# Altium PCB EBS V1.0.PcbDoc (part 1 of 5) (continued)
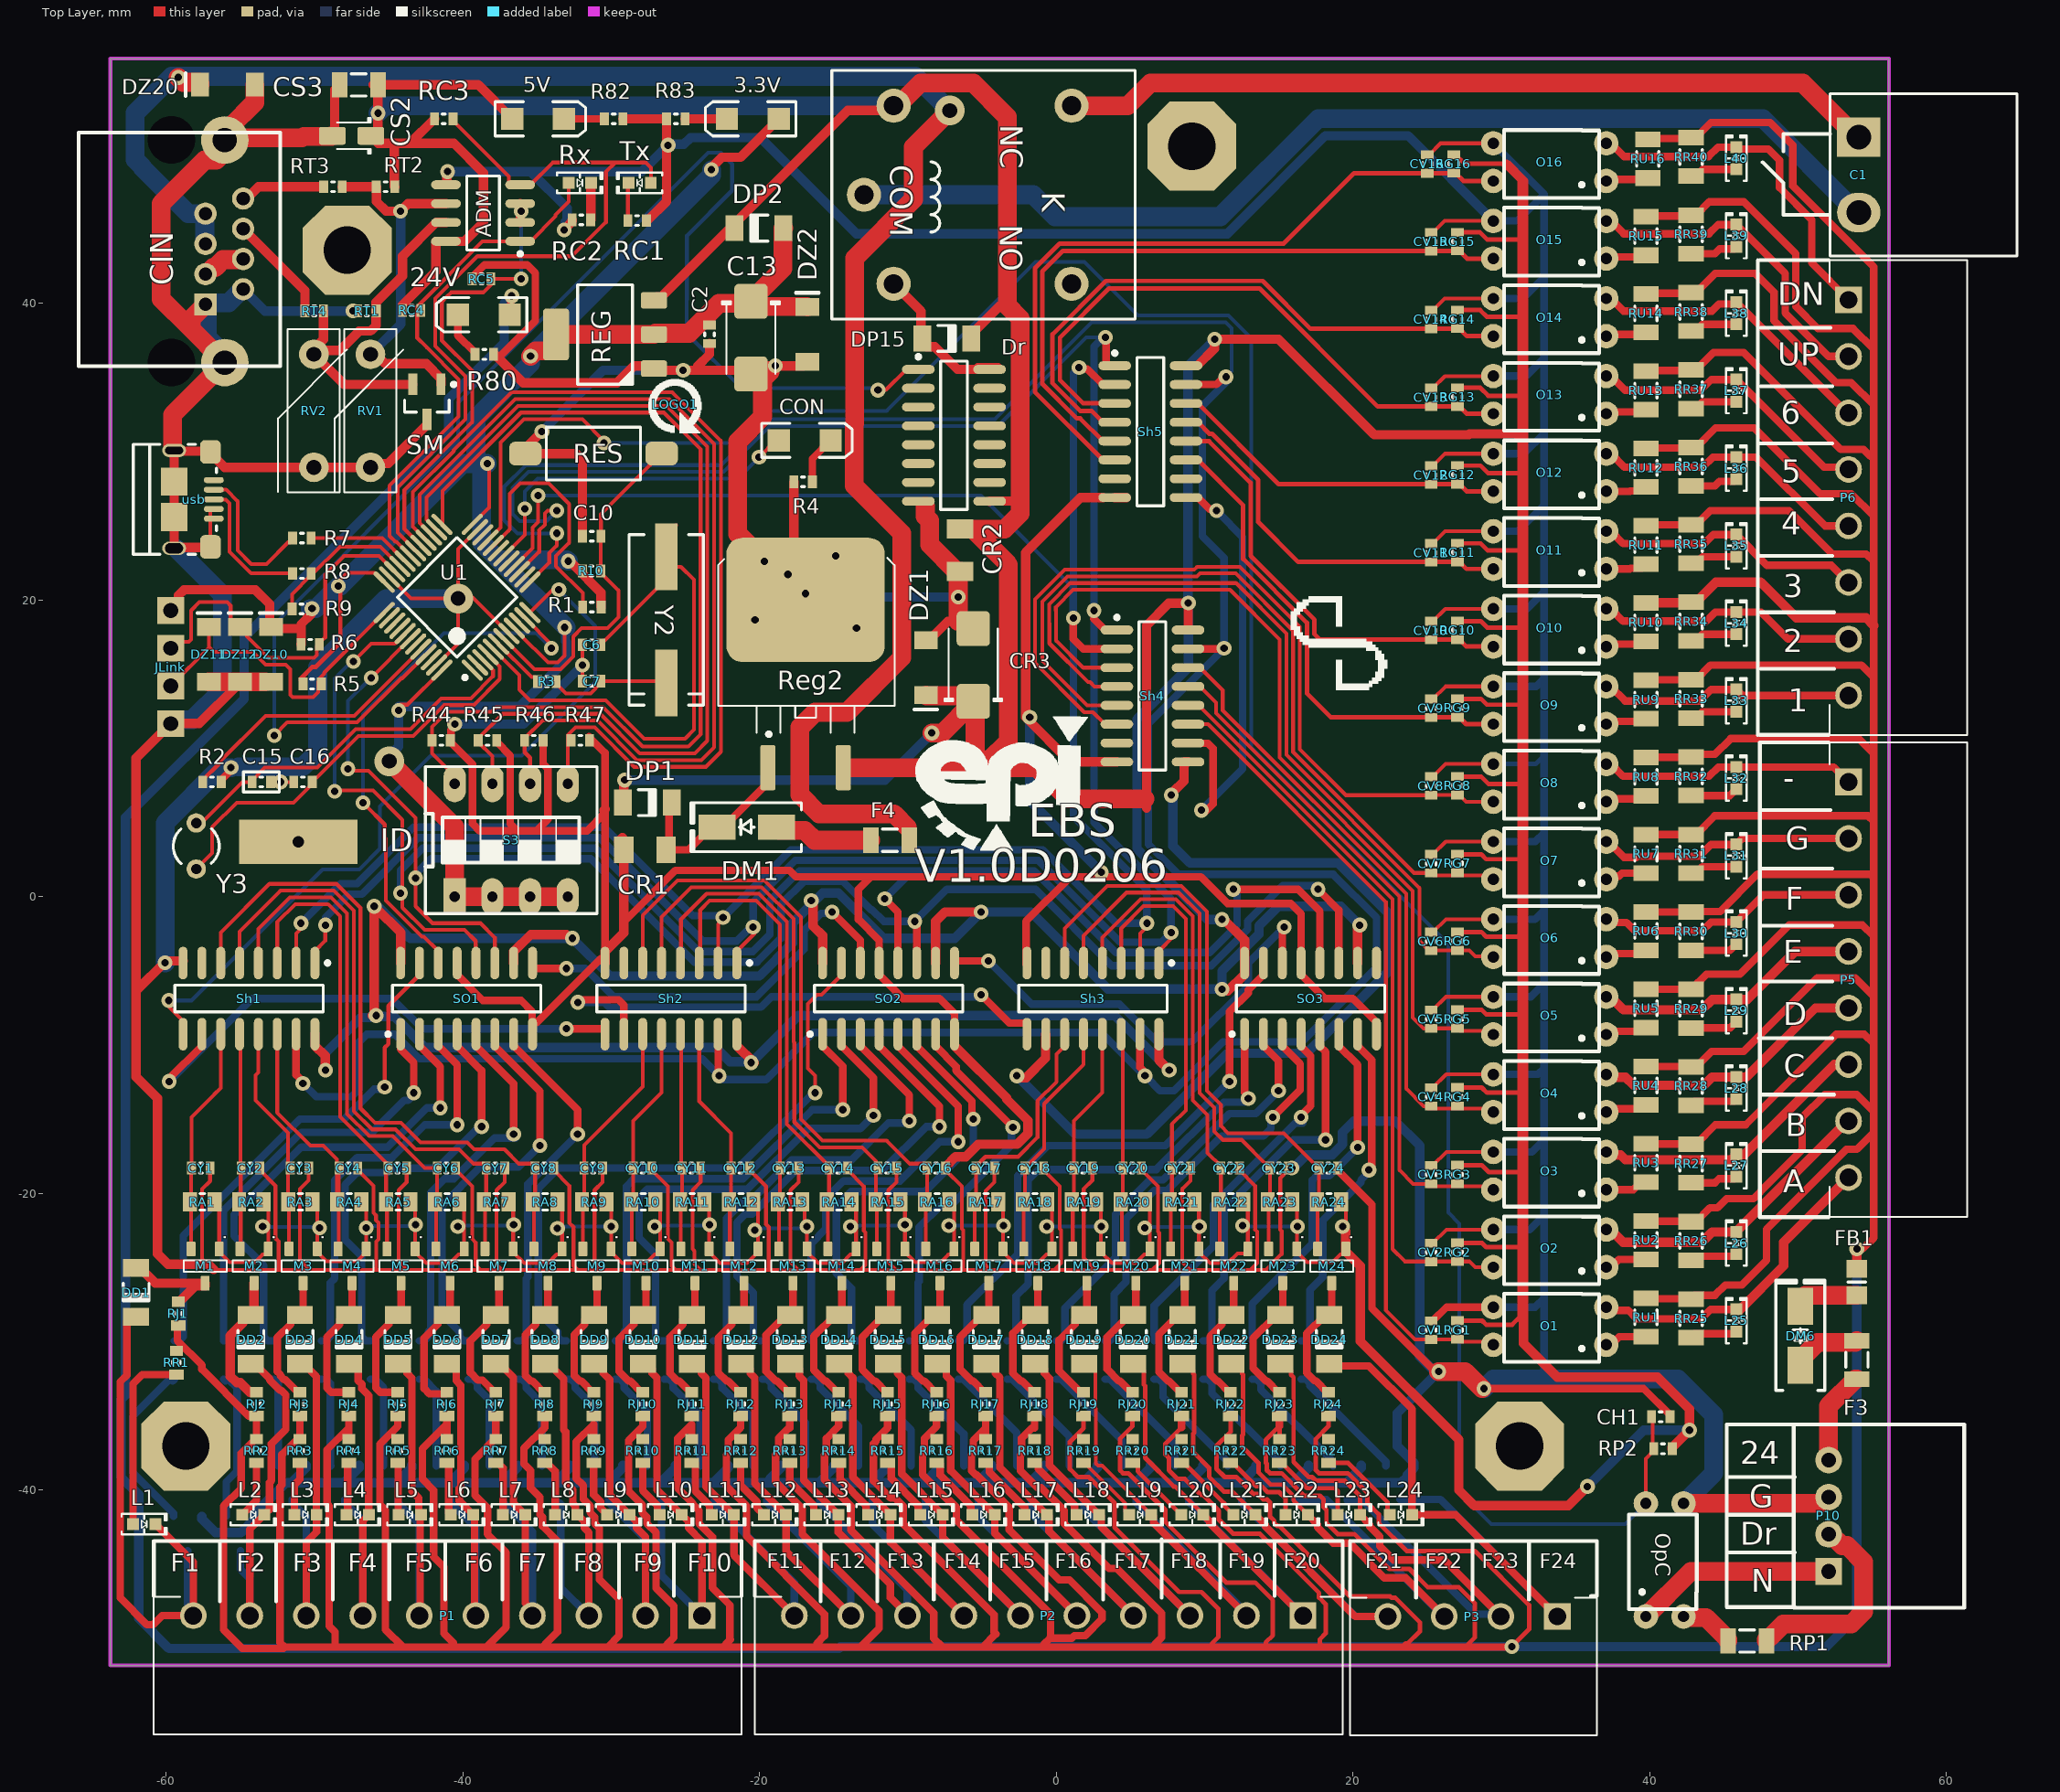
[diagram p0: Top Layer view]
## Design rules (kind name [scope] priority, off if disabled: settings)
Clearance [All] p1: gap=0.2 ignorepadtopadclearanceinfootprint=FALSE except(0: Arc-Hole Track-Hole SMDPad-Hole THPad-Hole Via-Hole Fill-Hole Poly-Hole Region-Hole Text-Hole)
HoleSize [All] p1: absolutevalues=TRUE maxlimit=5.08 minlimit=0.025 maxpercent=80.000 minpercent=20.000
MinimumSolderMaskSliver [All] p1 off: minsoldermaskwidth=0.254
PlaneClearance [All] p1: clearance=0.508
PlaneConnect [All] p1: planeconnectstyle=Relief reliefexpansion=0.508 reliefentries=4 reliefconductorwidth=0.254 reliefairgap=0.254
PolygonConnect [All] p1: connectstyle=Relief reliefconductorwidth=0.254 reliefentries=4 polygonreliefangle="90 Angle" airgapwidth=0.254
RoomDefinition "Shift In" [InComponentClass('Shift In')] p1: confinementstyle=ConfineOut formatcopy=TRUE lockcomponents=FALSE outline -188.976,-204.311 -138.176,-204.311 -138.176,-178.911 -188.976,-178.911
RoomDefinition "Power 5V" [InComponentClass('Power 5V')] p2: confinementstyle=ConfineOut formatcopy=TRUE lockcomponents=FALSE outline 71.642,98.425 58.039,98.425 58.039,81.407 71.642,81.407
RoomDefinition "Power 3.3V" [InComponentClass('Power 3.3V')] p3: confinementstyle=ConfineOut formatcopy=TRUE lockcomponents=FALSE outline -98.171,87.884 -98.171,55.753 -70.993,55.753 -70.993,87.884
RoomDefinition "Shift Out" [InComponentClass('Shift Out')] p4: confinementstyle=ConfineOut formatcopy=TRUE lockcomponents=FALSE outline -115.697,-25.527 -85.852,-25.527 -85.852,-1.016 -115.697,-1.016
RoomDefinition "Mosfet Input" [InComponentClass('Mosfet Input')] p5: confinementstyle=ConfineOut formatcopy=TRUE lockcomponents=FALSE outline 192.024,-11.938 261.62,-11.938 261.62,21.463 192.024,21.463
RoomDefinition MCU [InComponentClass('MCU')] p6: confinementstyle=ConfineOut formatcopy=TRUE lockcomponents=FALSE outline -3.683,57.277 -3.683,67.691 -59.195,67.691 -59.195,57.277
RoomDefinition "Input Connector" [InComponentClass('Input Connector')] p7: confinementstyle=ConfineOut formatcopy=TRUE lockcomponents=FALSE outline 86.36,62.23 115.951,62.23 115.951,90.678 86.36,90.678
RoomDefinition Config [InComponentClass('Config')] p8: confinementstyle=ConfineOut formatcopy=TRUE lockcomponents=FALSE outline -58.547,73.279 -10.414,73.279 -10.414,114.3 -58.547,114.3
RoomDefinition "Communication Elevator" [InComponentClass('Communication Elevator')] p9: confinementstyle=ConfineOut formatcopy=TRUE lockcomponents=FALSE outline -95.377,30.353 -72.771,30.353 -72.771,49.911 -95.377,49.911
RoomDefinition Actuator [InComponentClass('Actuator')] p10: confinementstyle=ConfineOut formatcopy=TRUE lockcomponents=FALSE outline -83.439,-42.926 -132.08,-42.926 -132.08,-56.007 -83.439,-56.007
RoutingVias [All] p1: holewidth=0.6 width=1 viastyle="Through Hole" minholewidth=0.5 minwidth=0.762 maxholewidth=1.1 maxwidth=2.1
SilkToBoardRegionClearance [All] p1 off:
SilkToSolderMaskClearance [IsPad] p1 off: minsilkscreentomaskgap=0.025 clearancetoexposedcopper=TRUE
SolderMaskExpansion [All] p1: expansion=0.102
Width [All] p1: maxlimit=2.54 minlimit=0.254 preferedwidth=0.254 minimp=50.000000 maximp=50.000000 favimp=50.000000
24 further rules are at their usual default settings.

## Classes and differential pairs
component class "Power 3.3V": 3.3V C2 C13 DP2 DZ2 R83 REG
component class "Shift Out": SO1 SO2 SO3
component class Actuator: RF1 RF2 RF3 RF4 RF5 RF6 RF7 RF8 RF9 RF10 RF11 RF12 RF13 RF14 RF15 RF16 RF17 RF18 RF19 RF20 RF21 RF22 RF23 RF24 T1 T2 T3 T4 T5 T6 T7 T8 T9 T10 T11 T12 T13 T14 T15 T16 T17 T18 T19 T20 T21 T22 T23 T24
component class "Mosfet Input": CV1 CV2 CV3 CV4 CV5 CV6 CV7 CV8 CV9 CV10 CV11 CV12 CV13 CV14 CV15 CV16 CY1 CY2 CY3 CY4 CY5 CY6 CY7 CY8 CY9 CY10 CY11 CY12 CY13 CY14 CY15 CY16 CY17 CY18 CY19 CY20 CY21 CY22 CY23 CY24 DD1 DD2 DD3 DD4 DD5 DD6 DD7 DD8 DD9 DD10 DD11 DD12 DD13 DD14 DD15 DD16 DD17 DD18 DD19 DD20 DD21 DD22 DD23 DD24 L1 L2 L3 L4 L5 L6 L7 L8 L9 L10 L11 L12 L13 L14 L15 L16 L17 L18 L19 L20 L21 L22 L23 L24 L25 L26 L27 L28 L29 L30 L31 L32 L33 L34 L35 L36 L37 L38 L39 L40 M1 M2 M3 M4 M5 M6 M7 M8 M9 M10 M11 M12 M13 M14 M15 M16 M17 M18 M19 M20 M21 M22 M23 M24 O1 O2 O3 O4 O5 O6 O7 O8 O9 O10 O11 O12 O13 O14 O15 O16 RA1 RA2 RA3 RA4 RA5 RA6 RA7 RA8 RA9 RA10 RA11 RA12 RA13 RA14 RA15 RA16 RA17 RA18 RA19 RA20 RA21 RA22 RA23 RA24 RG1 RG2 RG3 RG4 RG5 RG6 RG7 RG8 RG9 RG10 RG11 RG12 RG13 RG14 RG15 RG16 RJ1 RJ2 RJ3 RJ4 RJ5 RJ6 RJ7 RJ8 RJ9 RJ10 RJ11 RJ12 RJ13 RJ14 RJ15 RJ16 RJ17 RJ18 RJ19 RJ20 RJ21 RJ22 RJ23 RJ24 RR1 RR2 RR3 RR4 RR5 RR6 RR7 RR8 RR9 RR10 RR11 RR12 RR13 RR14 RR15 RR16 RR17 RR18 RR19 RR20 RR21 RR22 RR23 RR24 RR25 RR26 RR27 RR28 RR29 RR30 RR31 RR32 RR33 RR34 RR35 RR36 RR37 RR38 RR39 RR40 RU1 RU2 RU3 RU4 RU5 RU6 RU7 RU8 RU9 RU10 RU11 RU12 RU13 RU14 RU15 RU16
component class MCU: C1 C6 C7 C10 C15 C16 CON DP15 Dr DZ10 DZ11 DZ12 JLink K LOGO1 R1 R2 R3 R4 R5 R6 R7 R8 R9 R10 RES U1 usb Y2 Y3
component class "Input Connector": 24V CH1 CIN DM6 DZ20 F3 F4 FB1 OpC P1 P2 P3 P5 P6 P10 R80 RP1 RP2
component class "Shift In": Sh1 Sh2 Sh3 Sh4 Sh5
component class "Communication Elevator": ADM CS2 CS3 RC1 RC2 RC3 RC4 RC5 RT1 RT2 RT3 RT4 RV1 Rx SM Tx
component class Config: R44 R45 R46 R47 S3
component class "Power 5V": 5V CR1 CR2 CR3 DM1 DP1 DZ1 R82 Reg2

## Components (designator, comment, footprint, x,y, rotation, side; value= is the part's Value field where it differs from the comment)
3.3V "GREEN" "LED SMD 1206" -20.447,52.451 r180 top
5V "RED" "LED SMD 1206" -34.925,52.451 r0 top
24V "RED" "LED SMD 1206" -38.587,39.243 r180 top
ADM "ADM485" SO8_NARROW_N -38.634,46.101 r180 top
C1 "Header 2" "phonix 2pin right 5.08" 54.102,48.673 r0 top
C2 "100nF" SMD_CAP_0603 -23.368,37.925 r90 top
C6 "20pF" SMD_CAP_0603 -31.313,16.988 r180 top
C7 "20pF" SMD_CAP_0603 -31.313,14.536 r180 top
C10 "1uF" SMD_CAP_0603 -31.313,24.308 r180 top
C13 "100uF" CAPMP6032X280N -20.574,37.694 r270 top
C15 "1uF" CAP-0603 -53.573,7.741 r0 top
C16 "10pF" SMD_CAP_0603 -50.771,7.741 r0 top
CH1 "1uF" SMD_CAP_0603 40.754,-35.052 r180 top
CIN "CN_MODJACK_8P" "CN_RJ45_TYCO_ DY122-8P8C-G" -59.647,51.021 r270 top
CON "RED" "LED SMD 1206" -16.956,30.772 r0 top
CR1 "330nF" 1206 -27.723,3.175 r180 top
CR2 "100nF" 1206 -6.477,23.368 r270 top
CR3 "100uF" CAPMP6032X280N -5.588,15.632 r90 top
CS2 "10uF" CAPMP3216X180N -47.498,51.308 r180 top
CS3 "100nF" SMD_CAP_1206 -45.72,54.737 r180 top
CV1 "1uF" SMD_CAP_0603 25.273,-29.21 r270 top
CV2 "1uF" SMD_CAP_0603 25.273,-23.969 r270 top
CV3 "1uF" SMD_CAP_0603 25.273,-18.728 r270 top
CV4 "1uF" SMD_CAP_0603 25.273,-13.487 r270 top
CV5 "1uF" SMD_CAP_0603 25.273,-8.247 r270 top
CV6 "1uF" SMD_CAP_0603 25.273,-3.006 r270 top
CV7 "1uF" SMD_CAP_0603 25.273,2.235 r270 top
CV8 "1uF" SMD_CAP_0603 25.273,7.476 r270 top
CV9 "1uF" SMD_CAP_0603 25.273,12.717 r270 top
CV10 "1uF" SMD_CAP_0603 25.273,17.958 r270 top
CV11 "1uF" SMD_CAP_0603 25.273,23.199 r270 top
CV12 "1uF" SMD_CAP_0603 25.273,28.44 r270 top
CV13 "1uF" SMD_CAP_0603 25.273,33.68 r270 top
CV14 "1uF" SMD_CAP_0603 25.273,38.921 r270 top
CV15 "1uF" SMD_CAP_0603 25.273,44.162 r270 top
CV16 "1uF" SMD_CAP_0603 25.019,49.403 r270 top
CY1 "10uF" SMD_CAP_0603 -57.658,-18.288 r180 top
CY2 "10uF" SMD_CAP_0603 -54.314,-18.288 r180 top
CY3 "10uF" SMD_CAP_0603 -51.012,-18.288 r180 top
CY4 "10uF" SMD_CAP_0603 -47.71,-18.288 r180 top
CY5 "10uF" SMD_CAP_0603 -44.408,-18.288 r180 top
CY6 "10uF" SMD_CAP_0603 -41.106,-18.288 r180 top
CY7 "10uF" SMD_CAP_0603 -37.804,-18.288 r180 top
CY8 "10uF" SMD_CAP_0603 -34.502,-18.288 r180 top
CY9 "10uF" SMD_CAP_0603 -31.2,-18.288 r180 top
CY10 "10uF" SMD_CAP_0603 -27.898,-18.288 r180 top
CY11 "10uF" SMD_CAP_0603 -24.596,-18.288 r180 top
CY12 "10uF" SMD_CAP_0603 -21.294,-18.288 r180 top
CY13 "10uF" SMD_CAP_0603 -17.992,-18.288 r180 top
CY14 "10uF" SMD_CAP_0603 -14.69,-18.288 r180 top
CY15 "10uF" SMD_CAP_0603 -11.388,-18.288 r180 top
CY16 "10uF" SMD_CAP_0603 -8.086,-18.288 r180 top
CY17 "10uF" SMD_CAP_0603 -4.784,-18.288 r180 top
CY18 "10uF" SMD_CAP_0603 -1.482,-18.288 r180 top
CY19 "10uF" SMD_CAP_0603 1.82,-18.288 r180 top
CY20 "10uF" SMD_CAP_0603 5.122,-18.288 r180 top
CY21 "10uF" SMD_CAP_0603 8.424,-18.288 r180 top
CY22 "10uF" SMD_CAP_0603 11.726,-18.288 r180 top
CY23 "10uF" SMD_CAP_0603 15.028,-18.288 r180 top
CY24 "10uF" SMD_CAP_0603 18.33,-18.288 r180 top
DD1 "1N4148" LL4148 -62.025,-26.67 r270 top
DD2 "1N4148" LL4148 -54.289,-29.845 r270 top
DD3 "1N4148" LL4148 -50.984,-29.845 r270 top
DD4 "1N4148" LL4148 -47.679,-29.845 r270 top
DD5 "1N4148" LL4148 -44.375,-29.845 r270 top
DD6 "1N4148" LL4148 -41.07,-29.845 r270 top
DD7 "1N4148" LL4148 -37.765,-29.845 r270 top
DD8 "1N4148" LL4148 -34.461,-29.845 r270 top
DD9 "1N4148" LL4148 -31.156,-29.845 r270 top
DD10 "1N4148" LL4148 -27.851,-29.845 r270 top
DD11 "1N4148" LL4148 -24.546,-29.845 r270 top
DD12 "1N4148" LL4148 -21.242,-29.845 r270 top
DD13 "1N4148" LL4148 -17.937,-29.845 r270 top
DD14 "1N4148" LL4148 -14.632,-29.845 r270 top
DD15 "1N4148" LL4148 -11.328,-29.845 r270 top
DD16 "1N4148" LL4148 -8.023,-29.845 r270 top
DD17 "1N4148" LL4148 -4.718,-29.845 r270 top
DD18 "1N4148" LL4148 -1.413,-29.845 r270 top
DD19 "1N4148" LL4148 1.891,-29.845 r270 top
DD20 "1N4148" LL4148 5.196,-29.845 r270 top
DD21 "1N4148" LL4148 8.501,-29.845 r270 top
DD22 "1N4148" LL4148 11.806,-29.845 r270 top
DD23 "1N4148" LL4148 15.11,-29.845 r270 top
DD24 "1N4148" LL4148 18.415,-29.845 r270 top
DM1 "1N5822" "DO214AC SMA" -20.86,4.699 r180 top
DM6 "1N5822" "DO214AC SMA" 50.165,-29.591 r90 top
DP1 "1N4148" LL4148 -27.559,6.35 r0 top
DP2 "1N4148" LL4148 -20.03,45.085 r180 top
DP15 "1N4148" LL4148 -7.366,37.651 r0 top
Dr "ULN2003" SO-16 -6.89,31.115 r0 top
DZ1 "DZ5.6V 0.5W" Minimelf -8.763,15.442 r270 top
DZ2 "DZ3.6V 0.5W" Minimelf -16.796,37.92 r90 top
DZ10 "DZ3.6V 0.5W" Minimelf -52.951,16.339 r90 top
DZ11 "DZ3.6V 0.5W" Minimelf -57.14,16.339 r90 top
DZ12 "DZ3.6V 0.5W" Minimelf -55.046,16.339 r90 top
DZ20 "DZ9.1V 0.5W" Minimelf -55.88,54.737 r180 top
F3 "Fuse 1A 1206" "Fuse SMD 1206" 54.102,-31.115 r90 top
F4 "Fuse 1A 1206" "Fuse SMD 1206" -11.303,3.942 r180 top
FB1 "BLM21PG" "R 0805 / 2012" 53.975,-25.963 r270 top value=220OHM
JLink "Header Male Right 1x4" "Header 1x4 male rightangle" -59.69,14.224 r90 top
K "Relay" "Relay 20x16x20 HJR" -12.963,47.332 r270 top
L1 "RED" "LED 0603/1608 RED" -61.48,-42.291 r0 top
L2 "RED" "LED 0603/1608 RED" -54.124,-41.656 r0 top
L3 "RED" "LED 0603/1608 RED" -50.608,-41.656 r0 top
L4 "RED" "LED 0603/1608 RED" -47.091,-41.656 r0 top
L5 "RED" "LED 0603/1608 RED" -43.575,-41.656 r0 top
L6 "RED" "LED 0603/1608 RED" -40.058,-41.656 r0 top
L7 "RED" "LED 0603/1608 RED" -36.541,-41.656 r0 top
L8 "RED" "LED 0603/1608 RED" -33.025,-41.656 r0 top
L9 "RED" "LED 0603/1608 RED" -29.508,-41.656 r0 top
L10 "RED" "LED 0603/1608 RED" -25.992,-41.656 r0 top
L11 "RED" "LED 0603/1608 RED" -22.475,-41.656 r0 top
L12 "RED" "LED 0603/1608 RED" -18.958,-41.656 r0 top
L13 "RED" "LED 0603/1608 RED" -15.442,-41.656 r0 top
L14 "RED" "LED 0603/1608 RED" -11.925,-41.656 r0 top
L15 "RED" "LED 0603/1608 RED" -8.408,-41.656 r0 top
L16 "RED" "LED 0603/1608 RED" -4.892,-41.656 r0 top
L17 "RED" "LED 0603/1608 RED" -1.375,-41.656 r0 top
L18 "RED" "LED 0603/1608 RED" 2.141,-41.656 r0 top
L19 "RED" "LED 0603/1608 RED" 5.658,-41.656 r0 top
L20 "RED" "LED 0603/1608 RED" 9.175,-41.656 r0 top
L21 "RED" "LED 0603/1608 RED" 12.691,-41.656 r0 top
L22 "RED" "LED 0603/1608 RED" 16.208,-41.656 r0 top
L23 "RED" "LED 0603/1608 RED" 19.724,-41.656 r0 top
L24 "RED" "LED 0603/1608 RED" 23.241,-41.656 r0 top
L25 "RED" "LED 0603/1608 RED" 45.847,-28.563 r90 top
L26 "RED" "LED 0603/1608 RED" 45.847,-23.339 r90 top
L27 "RED" "LED 0603/1608 RED" 45.847,-18.115 r90 top
L28 "RED" "LED 0603/1608 RED" 45.847,-12.891 r90 top
L29 "RED" "LED 0603/1608 RED" 45.847,-7.667 r90 top
L30 "RED" "LED 0603/1608 RED" 45.847,-2.443 r90 top
L31 "RED" "LED 0603/1608 RED" 45.847,2.781 r90 top
L32 "RED" "LED 0603/1608 RED" 45.847,8.005 r90 top
L33 "RED" "LED 0603/1608 RED" 45.847,13.228 r90 top
L34 "RED" "LED 0603/1608 RED" 45.847,18.452 r90 top
L35 "RED" "LED 0603/1608 RED" 45.847,23.676 r90 top
L36 "RED" "LED 0603/1608 RED" 45.847,28.9 r90 top
L37 "RED" "LED 0603/1608 RED" 45.847,34.124 r90 top
L38 "RED" "LED 0603/1608 RED" 45.847,39.348 r90 top
L39 "RED" "LED 0603/1608 RED" 45.847,44.572 r90 top
L40 "RED" "LED 0603/1608 RED" 45.847,49.796 r90 top
LOGO1 "Warning!" "LOGO RESET" -25.706,33.192 r90 top
M1 "2N7002" SOT23-3 -57.37,-24.892 r270 top
M2 "2N7002" SOT23-3 -54.068,-24.892 r270 top
M3 "2N7002" SOT23-3 -50.766,-24.892 r270 top
M4 "2N7002" SOT23-3 -47.464,-24.892 r270 top
M5 "2N7002" SOT23-3 -44.162,-24.892 r270 top
M6 "2N7002" SOT23-3 -40.86,-24.892 r270 top
M7 "2N7002" SOT23-3 -37.558,-24.892 r270 top
M8 "2N7002" SOT23-3 -34.256,-24.892 r270 top
M9 "2N7002" SOT23-3 -30.954,-24.892 r270 top
M10 "2N7002" SOT23-3 -27.652,-24.892 r270 top
M11 "2N7002" SOT23-3 -24.35,-24.892 r270 top
M12 "2N7002" SOT23-3 -21.048,-24.892 r270 top
M13 "2N7002" SOT23-3 -17.746,-24.892 r270 top
M14 "2N7002" SOT23-3 -14.444,-24.892 r270 top
M15 "2N7002" SOT23-3 -11.142,-24.892 r270 top
M16 "2N7002" SOT23-3 -7.84,-24.892 r270 top
M17 "2N7002" SOT23-3 -4.538,-24.892 r270 top
M18 "2N7002" SOT23-3 -1.236,-24.892 r270 top
M19 "2N7002" SOT23-3 2.066,-24.892 r270 top
M20 "2N7002" SOT23-3 5.368,-24.892 r270 top
M21 "2N7002" SOT23-3 8.67,-24.892 r270 top
M22 "2N7002" SOT23-3 11.972,-24.892 r270 top
M23 "2N7002" SOT23-3 15.274,-24.892 r270 top
M24 "2N7002" SOT23-3 18.576,-24.892 r270 top
O1 "TLP521" PS2501-1 29.464,-30.2 r90 top
O2 "TLP521" PS2501-1 29.464,-24.969 r90 top
O3 "TLP521" PS2501-1 29.464,-19.739 r90 top
O4 "TLP521" PS2501-1 29.464,-14.508 r90 top
O5 "TLP521" PS2501-1 29.464,-9.277 r90 top
O6 "TLP521" PS2501-1 29.464,-4.047 r90 top
O7 "TLP521" PS2501-1 29.464,1.184 r90 top
O8 "TLP521" PS2501-1 29.464,6.415 r90 top
O9 "TLP521" PS2501-1 29.464,11.645 r90 top
O10 "TLP521" PS2501-1 29.464,16.876 r90 top
O11 "TLP521" PS2501-1 29.464,22.107 r90 top
O12 "TLP521" PS2501-1 29.464,27.337 r90 top
O13 "TLP521" PS2501-1 29.464,32.568 r90 top
O14 "TLP521" PS2501-1 29.464,37.799 r90 top
O15 "TLP521" PS2501-1 29.464,43.029 r90 top
O16 "TLP521" PS2501-1 29.464,48.26 r90 top
OpC "PC814" PS2501-1 39.751,-40.894 r0 top
P1 "XH10MR" "phonix 10pin right 3.81" -23.881,-48.457 r270 top
P2 "XH10MR" "phonix 10pin right 3.81" 16.637,-48.457 r270 top
P3 "XH4MR" "phonix 4pin right 3.81" 33.782,-48.514 r270 top
P5 "XH8MR" "phonix 8pin right 3.81" 53.416,7.747 r0 top
P6 "XH8MR" "phonix 8pin right 3.81" 53.416,40.246 r0 top
P10 "XH4MR" CN_JST-B4B-S_XH 52.07,-45.473 r270 top
R1 "10K" "RES 0603 (1608X06L)" -30.673,19.532 r180 top
R2 "10K" "RES 0603 (1608X06L)" -57.531,7.747 r0 top
R3 "390" "RES 0603 (1608X06L)" -34.962,14.515 r0 top
R4 "500" "RES 0603 (1608X06L)" -17.686,27.978 r0 top
R5 "10K" "RES 0603 (1608X06L)" -50.774,14.351 r0 top
R6 "10K" "RES 0603 (1608X06L)" -49.666,17.018 r180 top
R7 "20R" "RES 0603 (1608X06L)" -50.231,24.192 r180 top
R8 "20R" "RES 0603 (1608X06L)" -50.231,21.804 r180 top
R9 "1.5K" "RES 0603 (1608X06L)" -51.501,19.416 r0 top
R10 "10K" "RES 0603 (1608X06L)" -31.943,21.972 r0 top
R44 "10K" "RES 0603 (1608X06L)" -40.837,10.554 r180 top
R45 "10K" "RES 0603 (1608X06L)" -37.713,10.554 r180 top
R46 "10K" "RES 0603 (1608X06L)" -34.59,10.554 r180 top
R47 "10K" "RES 0603 (1608X06L)" -31.466,10.554 r180 top
R80 "5K" "RES 0603 (1608X06L)" -37.939,36.57 r180 top
R82 "1K" "RES 0603 (1608X06L)" -29.21,52.451 r180 top
R83 "500" "RES 0603 (1608X06L)" -26.263,52.451 r0 top
RA1 "10K" "RES 0805 (2012X06L)" -56.735,-20.561 r180 top
RA2 "10K" "RES 0805 (2012X06L)" -53.433,-20.561 r180 top
RA3 "10K" "RES 0805 (2012X06L)" -50.131,-20.561 r180 top
RA4 "10K" "RES 0805 (2012X06L)" -46.829,-20.561 r180 top
RA5 "10K" "RES 0805 (2012X06L)" -43.527,-20.561 r180 top
RA6 "10K" "RES 0805 (2012X06L)" -40.225,-20.561 r180 top
RA7 "10K" "RES 0805 (2012X06L)" -36.923,-20.561 r180 top
RA8 "10K" "RES 0805 (2012X06L)" -33.621,-20.561 r180 top
RA9 "10K" "RES 0805 (2012X06L)" -30.319,-20.561 r180 top
RA10 "10K" "RES 0805 (2012X06L)" -27.017,-20.561 r180 top
RA11 "10K" "RES 0805 (2012X06L)" -23.715,-20.561 r180 top
RA12 "10K" "RES 0805 (2012X06L)" -20.413,-20.561 r180 top
RA13 "10K" "RES 0805 (2012X06L)" -17.111,-20.561 r180 top
RA14 "10K" "RES 0805 (2012X06L)" -13.809,-20.561 r180 top
RA15 "10K" "RES 0805 (2012X06L)" -10.507,-20.561 r180 top
RA16 "10K" "RES 0805 (2012X06L)" -7.205,-20.561 r180 top
RA17 "10K" "RES 0805 (2012X06L)" -3.903,-20.561 r180 top
RA18 "10K" "RES 0805 (2012X06L)" -0.601,-20.561 r180 top
RA19 "10K" "RES 0805 (2012X06L)" 2.701,-20.561 r180 top
RA20 "10K" "RES 0805 (2012X06L)" 6.003,-20.561 r180 top
RA21 "10K" "RES 0805 (2012X06L)" 9.305,-20.561 r180 top
RA22 "10K" "RES 0805 (2012X06L)" 12.607,-20.561 r180 top
RA23 "10K" "RES 0805 (2012X06L)" 15.909,-20.561 r180 top
RA24 "10K" "RES 0805 (2012X06L)" 19.211,-20.561 r180 top
RC1 "510" "RES 0603 (1608X06L)" -27.627,45.593 r180 top
RC2 "510" "RES 0603 (1608X06L)" -32.623,45.633 r0 top
RC3 "10k" "RES 0603 (1608X06L)" -40.666,52.451 r180 top
RC4 "10k" "RES 0603 (1608X06L)" -42.825,39.543 r180 top
RC5 "10k" "RES 0603 (1608X06L)" -38.115,41.654 r180 top
REG "AMS1117-3.3" SOT223 -30.417,37.913 r180 top
Reg2 "L7805" D2PAK-3 -16.891,14.365 r270 top value=variable
RES "Button" "TE FSMSMTR" -31.19,29.883 r90 top
RF1 "1K" "RES 1206 (3216X08L)" -59.436,-32.519 r90 bottom
RF2 "1K" "RES 1206 (3216X08L)" -56.134,-32.519 r90 bottom
RF3 "1K" "RES 1206 (3216X08L)" -52.832,-32.519 r90 bottom
RF4 "1K" "RES 1206 (3216X08L)" -49.53,-32.519 r90 bottom
RF5 "1K" "RES 1206 (3216X08L)" -46.228,-32.519 r90 bottom
RF6 "1K" "RES 1206 (3216X08L)" -42.926,-32.519 r90 bottom
RF7 "1K" "RES 1206 (3216X08L)" -39.624,-32.519 r90 bottom
RF8 "1K" "RES 1206 (3216X08L)" -36.322,-32.519 r90 bottom
RF9 "1K" "RES 1206 (3216X08L)" -33.02,-32.519 r90 bottom
RF10 "1K" "RES 1206 (3216X08L)" -29.718,-32.519 r90 bottom
RF11 "1K" "RES 1206 (3216X08L)" -26.416,-32.519 r90 bottom
RF12 "1K" "RES 1206 (3216X08L)" -23.114,-32.519 r90 bottom
RF13 "1K" "RES 1206 (3216X08L)" -19.812,-32.519 r90 bottom
RF14 "1K" "RES 1206 (3216X08L)" -16.51,-32.519 r90 bottom
RF15 "1K" "RES 1206 (3216X08L)" -13.208,-32.519 r90 bottom
RF16 "1K" "RES 1206 (3216X08L)" -9.906,-32.519 r90 bottom
RF17 "1K" "RES 1206 (3216X08L)" -6.604,-32.519 r90 bottom
RF18 "1K" "RES 1206 (3216X08L)" -3.302,-32.519 r90 bottom
RF19 "1K" "RES 1206 (3216X08L)" 0,-32.519 r90 bottom
RF20 "1K" "RES 1206 (3216X08L)" 3.302,-32.519 r90 bottom
RF21 "1K" "RES 1206 (3216X08L)" 6.604,-32.519 r90 bottom
RF22 "1K" "RES 1206 (3216X08L)" 9.906,-32.519 r90 bottom
RF23 "1K" "RES 1206 (3216X08L)" 13.208,-32.519 r90 bottom
RF24 "1K" "RES 1206 (3216X08L)" 16.51,-32.519 r90 bottom
RG1 "20K" "RES 0603 (1608X06L)" 27.051,-29.819 r90 top
RG2 "20K" "RES 0603 (1608X06L)" 27.051,-24.579 r90 top
RG3 "20K" "RES 0603 (1608X06L)" 27.051,-19.338 r90 top
RG4 "20K" "RES 0603 (1608X06L)" 27.051,-14.097 r90 top
RG5 "20K" "RES 0603 (1608X06L)" 27.051,-8.856 r90 top
RG6 "20K" "RES 0603 (1608X06L)" 27.051,-3.615 r90 top
RG7 "20K" "RES 0603 (1608X06L)" 27.051,1.626 r90 top
RG8 "20K" "RES 0603 (1608X06L)" 27.051,6.867 r90 top
RG9 "20K" "RES 0603 (1608X06L)" 27.051,12.108 r90 top
RG10 "20K" "RES 0603 (1608X06L)" 27.051,17.348 r90 top
RG11 "20K" "RES 0603 (1608X06L)" 27.051,22.589 r90 top
RG12 "20K" "RES 0603 (1608X06L)" 27.051,27.83 r90 top
RG13 "20K" "RES 0603 (1608X06L)" 27.051,33.071 r90 top
RG14 "20K" "RES 0603 (1608X06L)" 27.051,38.312 r90 top
RG15 "20K" "RES 0603 (1608X06L)" 27.051,43.553 r90 top
RG16 "20K" "RES 0603 (1608X06L)" 26.797,48.794 r90 top
RJ1 "100K" "RES 0603" -59.182,-27.305 r270 top
RJ2 "100K" "RES 0603" -53.908,-33.401 r270 top
RJ3 "100K" "RES 0603" -50.987,-33.401 r270 top
RJ4 "100K" "RES 0603" -47.685,-33.401 r270 top
RJ5 "100K" "RES 0603" -44.383,-33.401 r270 top
RJ6 "100K" "RES 0603" -41.081,-33.401 r270 top
RJ7 "100K" "RES 0603" -37.779,-33.401 r270 top
RJ8 "100K" "RES 0603" -34.477,-33.401 r270 top
RJ9 "100K" "RES 0603" -31.175,-33.401 r270 top
RJ10 "100K" "RES 0603" -27.873,-33.401 r270 top
RJ11 "100K" "RES 0603" -24.571,-33.401 r270 top
RJ12 "100K" "RES 0603" -21.269,-33.401 r270 top
RJ13 "100K" "RES 0603" -17.967,-33.401 r270 top
RJ14 "100K" "RES 0603" -14.665,-33.401 r270 top
RJ15 "100K" "RES 0603" -11.363,-33.401 r270 top
RJ16 "100K" "RES 0603" -8.061,-33.401 r270 top
RJ17 "100K" "RES 0603" -4.759,-33.401 r270 top
RJ18 "100K" "RES 0603" -1.457,-33.401 r270 top
RJ19 "100K" "RES 0603" 1.845,-33.401 r270 top
RJ20 "100K" "RES 0603" 5.147,-33.401 r270 top
RJ21 "100K" "RES 0603" 8.449,-33.401 r270 top
RJ22 "100K" "RES 0603" 11.751,-33.401 r270 top
RJ23 "100K" "RES 0603" 15.053,-33.401 r270 top
RJ24 "100K" "RES 0603" 18.355,-33.401 r270 top
RP1 "180K" "RES 1206 (3216X08L)" 45.283,-50.165 r0 top
RP2 "20K" "RES 0603 (1608X06L)" 40.285,-37.211 r0 top
RR1 "5.6K" "RES 0603" -59.309,-30.607 r270 top
RR2 "5.6K" "RES 0603" -53.908,-36.556 r270 top
RR3 "5.6K" "RES 0603" -50.987,-36.556 r270 top
RR4 "5.6K" "RES 0603" -47.685,-36.556 r270 top
RR5 "5.6K" "RES 0603" -44.383,-36.556 r270 top
RR6 "5.6K" "RES 0603" -41.081,-36.556 r270 top
RR7 "5.6K" "RES 0603" -37.779,-36.556 r270 top
RR8 "5.6K" "RES 0603" -34.477,-36.556 r270 top
RR9 "5.6K" "RES 0603" -31.175,-36.556 r270 top
RR10 "5.6K" "RES 0603" -27.873,-36.556 r270 top
RR11 "5.6K" "RES 0603" -24.571,-36.556 r270 top
RR12 "5.6K" "RES 0603" -21.269,-36.556 r270 top
RR13 "5.6K" "RES 0603" -17.967,-36.556 r270 top
RR14 "5.6K" "RES 0603" -14.665,-36.556 r270 top
RR15 "5.6K" "RES 0603" -11.363,-36.556 r270 top
RR16 "5.6K" "RES 0603" -8.061,-36.556 r270 top
RR17 "5.6K" "RES 0603" -4.759,-36.556 r270 top
RR18 "5.6K" "RES 0603" -1.457,-36.556 r270 top
RR19 "5.6K" "RES 0603" 1.845,-36.556 r270 top
RR20 "5.6K" "RES 0603" 5.147,-36.556 r270 top
RR21 "5.6K" "RES 0603" 8.449,-36.556 r270 top
RR22 "5.6K" "RES 0603" 11.751,-36.556 r270 top
RR23 "5.6K" "RES 0603" 15.053,-36.556 r270 top
RR24 "5.6K" "RES 0603" 18.355,-36.556 r270 top
RR25 "5.6K" "RES 1206 (3216X08L)" 42.799,-27.122 r270 top
RR26 "5.6K" "RES 1206 (3216X08L)" 42.799,-21.902 r270 top
RR27 "5.6K" "RES 1206 (3216X08L)" 42.799,-16.682 r270 top
RR28 "5.6K" "RES 1206 (3216X08L)" 42.799,-11.461 r270 top
RR29 "5.6K" "RES 1206 (3216X08L)" 42.799,-6.241 r270 top
RR30 "5.6K" "RES 1206 (3216X08L)" 42.799,-1.021 r270 top
RR31 "5.6K" "RES 1206 (3216X08L)" 42.799,4.199 r270 top
RR32 "5.6K" "RES 1206 (3216X08L)" 42.799,9.419 r270 top
RR33 "5.6K" "RES 1206 (3216X08L)" 42.799,14.64 r270 top
RR34 "5.6K" "RES 1206 (3216X08L)" 42.799,19.86 r270 top
RR35 "5.6K" "RES 1206 (3216X08L)" 42.799,25.08 r270 top
RR36 "5.6K" "RES 1206 (3216X08L)" 42.799,30.3 r270 top
RR37 "5.6K" "RES 1206 (3216X08L)" 42.799,35.52 r270 top
RR38 "5.6K" "RES 1206 (3216X08L)" 42.799,40.741 r270 top
RR39 "5.6K" "RES 1206 (3216X08L)" 42.799,45.961 r270 top
RR40 "5.6K" "RES 1206 (3216X08L)" 42.799,51.181 r270 top
RT1 "10K" "RES 0603 (1608X06L)" -45.843,39.497 r180 top
RT2 "10K" "RES 0603 (1608X06L)" -44.593,47.879 r180 top
RT3 "20" "RES 0603 (1608X06L)" -49.377,47.879 r0 top
RT4 "20" "RES 0603 (1608X06L)" -50.647,39.497 r0 top
RU1 "2.2K" "RES 1206 (3216X08L)" 39.751,-27.051 r270 top
RU2 "2.2K" "RES 1206 (3216X08L)" 39.751,-21.844 r270 top
RU3 "2.2K" "RES 1206 (3216X08L)" 39.751,-16.637 r270 top
RU4 "2.2K" "RES 1206 (3216X08L)" 39.751,-11.43 r270 top
RU5 "2.2K" "RES 1206 (3216X08L)" 39.751,-6.223 r270 top
RU6 "2.2K" "RES 1206 (3216X08L)" 39.751,-1.016 r270 top
RU7 "2.2K" "RES 1206 (3216X08L)" 39.751,4.191 r270 top
RU8 "2.2K" "RES 1206 (3216X08L)" 39.751,9.398 r270 top
RU9 "2.2K" "RES 1206 (3216X08L)" 39.751,14.605 r270 top
RU10 "2.2K" "RES 1206 (3216X08L)" 39.751,19.812 r270 top
RU11 "2.2K" "RES 1206 (3216X08L)" 39.751,25.019 r270 top
RU12 "2.2K" "RES 1206 (3216X08L)" 39.751,30.226 r270 top
RU13 "2.2K" "RES 1206 (3216X08L)" 39.751,35.433 r270 top
RU14 "2.2K" "RES 1206 (3216X08L)" 39.751,40.64 r270 top
RU15 "2.2K" "RES 1206 (3216X08L)" 39.751,45.847 r270 top
RU16 "2.2K" "RES 1206 (3216X08L)" 39.878,51.054 r270 top
RV1 "Res Varistor 10D201K" "Varistor Short Hieght - Vertical" -46.228,32.766 r270 top
RV2 "Res Varistor 10D201K" "Varistor Short Hieght - Vertical" -50.038,32.766 r270 top
Rx "RED" "LED 0603/1608 RED" -32.115,48.133 r0 top
S3 "SW DIP-4" "DIP Switch x4" -40.546,0.013 r90 top
Sh1 "74HC165" SO-16 -54.416,-6.858 r270 top
Sh2 "74HC165" SO-16 -25.969,-6.858 r270 top
Sh3 "74HC165" SO-16 2.477,-6.858 r270 top
Sh4 "74HC165" SO-16 6.49,13.545 r0 top
Sh5 "74HC165" SO-16 6.35,31.362 r0 top
SM "SM712 Diode" SOT23_BEC_M -42.418,33.374 r270 top
SO1 "74HCT595" SO-16 -39.747,-6.858 r90 top
SO2 "74HCT595" SO-16 -11.301,-6.858 r90 top
SO3 "74HCT595" SO-16 17.145,-6.858 r90 top
T1 "BC848" SOT23-3 -58.547,-42.919 r270 bottom
T2 "BC848" SOT23-3 -54.991,-42.919 r270 bottom
T3 "BC848" SOT23-3 -51.501,-39.479 r270 bottom
T4 "BC848" SOT23-3 -47.945,-39.479 r270 bottom
T5 "BC848" SOT23-3 -44.389,-39.479 r270 bottom
T6 "BC848" SOT23-3 -40.833,-39.479 r270 bottom
T7 "BC848" SOT23-3 -37.277,-39.479 r270 bottom
T8 "BC848" SOT23-3 -33.721,-39.479 r270 bottom
T9 "BC848" SOT23-3 -30.165,-39.479 r270 bottom
T10 "BC848" SOT23-3 -26.609,-39.479 r270 bottom
T11 "BC848" SOT23-3 -23.053,-39.479 r270 bottom
T12 "BC848" SOT23-3 -19.497,-39.479 r270 bottom
T13 "BC848" SOT23-3 -15.941,-39.479 r270 bottom
T14 "BC848" SOT23-3 -12.385,-39.479 r270 bottom
T15 "BC848" SOT23-3 -8.829,-39.479 r270 bottom
T16 "BC848" SOT23-3 -5.273,-39.479 r270 bottom
T17 "BC848" SOT23-3 -1.717,-39.479 r270 bottom
T18 "BC848" SOT23-3 1.839,-39.479 r270 bottom
T19 "BC848" SOT23-3 5.395,-39.479 r270 bottom
T20 "BC848" SOT23-3 8.951,-39.479 r270 bottom
T21 "BC848" SOT23-3 12.507,-39.479 r270 bottom
T22 "BC848" SOT23-3 16.063,-39.479 r270 bottom
T23 "BC848" SOT23-3 19.619,-39.479 r270 bottom
T24 "BC848" SOT23-3 23.175,-39.479 r270 bottom
Tx "RED" "LED 0603/1608 RED" -28.079,48.133 r180 top
U1 "STM32F103CBT6" LQFP-48 -40.386,20.193 r135 top
usb "USB Micro" "FCI USB 10118193-0001LF" -59.413,26.799 r90 top
Y2 "8 MHz" "Crystal SMD" -26.289,18.107 r90 top
Y3 "32.768K" "XTAL RTC - Right" -57.973,3.429 r0 top

## Footprints (in the part's own frame and the unit in brackets; to place one, negate y for a bottom-side part, rotate by r counter-clockwise, add the part's x,y. Pads: shape width x height; smd on the part's side, far side on the other; paste and mask are expansions set on the pad)
1206 [mm]
  rect 1.3x1.8 smd: 1(-1.425,0) 2(1.425,0)
  body extent -1.67,-0.87 1.68,0.87, height 0.71
CAP-0603 [mm]
  rect 0.6x0.85 smd: 1(-0.622,0) 2(0.622,0)
  silkscreen extent -1.21,-0.67 1.2,0.68, body extent -0.76,-0.38 0.76,0.38, height 0.6
CAPMP3216X180N [mm] "Capacitor, polarized, Molded Body, EIA 535BAAC size A; 3.20mm L X 1.60mm W X 1.80mm H"
  round 0.508 on Mech15: 0(0,0)
  rrect25% 1.8x1.2 smd: 1(-1.3,0) 2(1.3,0)
  silkscreen extent -1.3,-1.2 1,1.2, body extent -1.6,-0.8 1.6,0.8, height 1.8
CAPMP6032X280N [mm] "Capacitor, polarized, Molded Body, EIA 535BAAC size C; 6.00mm L X 3.20mm W X 2.80mm H"
  round 0.508 on Mech15: 0(0,0)
  rrect25% 2.35x2.25 smd: 1(-2.45,0) 2(2.45,0)
  silkscreen extent -2.45,-1.95 2.45,1.95, body extent -3.87,-2.02 3.73,1.93, height 3.1
CN_JST-B4B-S_XH [mm] "JST 2.5mm disconnectable crimp connector"
  rect 1.8x1.8 hole 1: 1(0,0)
  round 1.8 hole 1: 2(-2.5,0) 3(-5,0) 4(-7.5,0)
  silkscreen extent -9.91,-2.35 2.45,9.14, body extent -9.95,-2.3 2.45,9.2, height 6.1
"CN_RJ45_TYCO_ DY122-8P8C-G" [mm] "DY122-8P8C-G javan"
  rect 1.5x1.5 hole 0.9: 1(11.08,2.3)
  round 1.5 hole 0.9: 2(10.06,4.84) 3(9.04,2.3) 4(8.02,4.84) 5(7,2.3) 6(5.98,4.84) 7(4.96,2.3) 8(3.94,4.84)
  round 3.2 hole 1.63: 9(0,3.6) 9(15,3.6)
  round 0 hole 3.2: " "(0,0) " "(15,0)
  silkscreen extent -0.5,-6.25 15.25,7.35, body extent -1.75,-8.5 16.89,7.25, height 14.6
"Crystal SMD" [mm]
  rect 4.5x1.5 smd: 1(-3.683,0) 2(4.817,0)
  silkscreen extent -5.18,-2.5 6.32,2.5, body extent -5.64,-2.25 6.66,2.25, height 5.18
D2PAK-3 [mil]
  round 20 on Mech15: 0(0,0)
  rrect25% 120x40 smd: 1(222.5,-100) 3(222.5,100)
  rrect25% 330x420 smd: 4(-222.5,0)
  silkscreen extent -335,-232 139,236, body extent -361,-197 256,197, height 189
"DIP Switch x4" [mm]
  rect 2.5x1.5 hole 0.7: 1(0,0)
  oval 2.5x1.5 hole 0.7: 2(0,-2.54) 3(0,-5.08) 4(0,-7.62) 5(7.62,-7.62) 6(7.62,-5.08) 7(7.62,-2.54) 8(7.62,0)
  silkscreen extent -1.14,-9.6 8.76,1.98, body extent -1.14,-9.65 8.76,1.98, height 6.35
"DO214AC SMA" [mm]
  rect 2.5x1.7 smd: 1(-2,0) 2(2,0)
  silkscreen extent -3.68,-1.65 3.75,1.65, body extent -2.6,-1.37 2.6,1.37, height 2.4
"FCI USB 10118193-0001LF" [mm]
  oval 0.4x1.35 smd: 1(1.3,-2.625) 2(0.65,-2.625) 3(0,-2.625) 4(-0.65,-2.625) 5(-1.3,-2.625)
  oval 0.9x1.6 hole 0.7 slot 1.2 at 90 deg: S(-3.3,0.05)
  rrect50% 1.6x1.4 smd: S(-3.2,-2.4) S(3.2,-2.4)
  rect 1.9x1.8 smd: S(-1.2,0.05) S(1.2,0.05)
  oval 0.9x1.6 hole 0.5 slot 1.2 at 90 deg: S(3.3,0.05)
  silkscreen extent -3.7,-2.8 3.7,2.8, body extent -3.93,-2.9 3.93,2.76, height 2.78
"Fuse SMD 1206" [mm]
  rect 1.05x1.7 smd: 1(-1.397,0.127) 2(1.199,0.127)
  silkscreen extent -0.6,-0.62 0.4,0.88, body extent -1.14,-0.51 0.89,0.76, height 0.2
"Header 1x4 male rightangle" [mm]
  rect 1.8x1.8 hole 1: 1(-2.54,0) 2(0,0) 3(2.54,0) 4(5.08,0)
  body extent -3.81,-0.38 6.35,9.98, height 3.54
"LED 0603/1608 RED" [mm]
  rect 0.8x0.8 smd: 1(-0.75,0) 2(0.75,0)
  silkscreen extent -1.52,-0.7 1.52,0.7, body extent -0.8,-0.4 0.8,0.4, height 0.53
"LED SMD 1206" [mm]
  rect 1.5x1.5 smd: 1(-1.75,0) 2(1.75,0)
  silkscreen extent -2.9,-1.15 3.2,1.15, body extent -1.65,-0.76 1.65,0.69, height 1.36
LL4148 [mm] "MELF Diode, 2-Leads, Body 3.5x1.4mm, IPC Medium Density"
  rect 1.2x1.75 smd: 1(-1.65,0) 2(1.65,0)
  silkscreen extent -0.61,-0.87 0.57,0.88, body extent -1.78,-0.75 1.72,0.75, height 1.55
"LOGO RESET" [mm]
  silkscreen extent -1.93,-1.79 1.72,1.78
LQFP-48 [mm] "TSQFP, 48-Leads, Body 9,0x9,0mm (max), Pitch 0,50mm, IPC Medium Density"
  oval 1.9x0.3 smd: 1(-4.2,2.75) 2(-4.2,2.25) 3(-4.2,1.75) 4(-4.2,1.25) 5(-4.2,0.75) 6(-4.2,0.25) 7(-4.2,-0.25) 8(-4.2,-0.75) 9(-4.2,-1.25) 10(-4.2,-1.75) 11(-4.2,-2.25) 12(-4.2,-2.75) 25(4.2,-2.75) 26(4.2,-2.25) 27(4.2,-1.75) 28(4.2,-1.25) 29(4.2,-0.75) 30(4.2,-0.25) 31(4.2,0.25) 32(4.2,0.75) 33(4.2,1.25) 34(4.2,1.75) 35(4.2,2.25) 36(4.2,2.75)
  oval 0.3x1.9 smd: 13(-2.75,-4.2) 14(-2.25,-4.2) 15(-1.75,-4.2) 16(-1.25,-4.2) 17(-0.75,-4.2) 18(-0.25,-4.2) 19(0.25,-4.2) 20(0.75,-4.2) 21(1.25,-4.2) 22(1.75,-4.2) 23(2.25,-4.2) 24(2.75,-4.2) 37(2.75,4.2) 38(2.25,4.2) 39(1.75,4.2) 40(1.25,4.2) 41(0.75,4.2) 42(0.25,4.2) 43(-0.25,4.2) 44(-0.75,4.2) 45(-1.25,4.2) 46(-1.75,4.2) 47(-2.25,4.2) 48(-2.75,4.2)
  silkscreen extent -4.32,-2.85 2.85,3.57, body extent -4.5,-4.5 4.5,4.5, height 1.5
Minimelf [mm]
  rect 1.2x1.6 smd: 1(-1.85,-0.013) 2(1.85,-0.013)
  silkscreen extent 2.8,-0.8 2.8,0.75, body extent -1.75,-0.8 1.95,0.77, height 1.6
"phonix 2pin right 5.08" [mil]
  rect 115x105 hole 66: 1(0,100)
  oval 115x105 hole 66: 2(0,-100)
  silkscreen extent -76,-215 420,215, body extent -60,-199 410,208, height 310
"phonix 4pin right 3.81" [mm]
  rect 1.8x1.8 hole 1.2: 1(0,0)
  round 1.8 hole 1.2: 2(0,-3.81) 3(0,-7.62) 4(0,-11.43)
  silkscreen extent -1.27,-13.97 8,2.67, body extent -1.2,-14.03 8,2.6, height 7.32
"phonix 8pin right 3.81" [mm]
  rect 1.8x1.8 hole 1.2: 1(0,0)
  round 1.8 hole 1.2: 2(0,-3.81) 3(0,-7.62) 4(0,-11.43) 5(0,-15.24) 6(0,-19.05) 7(0,-22.86) 8(0,-26.67)
  silkscreen extent -1.27,-29.34 8,2.67, body extent -1.2,-29.27 8,2.6, height 7.32
"phonix 10pin right 3.81" [mm]
  rect 1.8x1.8 hole 1.2: 1(0,0)
  round 1.8 hole 1.2: 2(0,-3.81) 3(0,-7.62) 4(0,-11.43) 5(0,-15.24) 6(0,-19.05) 7(0,-22.86) 8(0,-26.67) 9(0,-30.48) 10(0,-34.29)
  silkscreen extent -1.27,-36.96 8,2.67, body extent -1.2,-36.89 8,2.6, height 7.32
PS2501-1 [mil]
  round 65 hole 30: 1(0,-300) 2(100,-300) 3(100,0) 4(0,0)
  silkscreen extent -45,-281 135,-29, body extent -40,-297 141,3, height 138
"R 0805 / 2012" [mm]
  rect 1.2x1.4 smd: 1(-0.9,0) 2(0.9,0)
  silkscreen extent 0,-0.6 0,0.6, body extent -1,-0.63 1,0.62, height 0.45
"Relay 20x16x20 HJR" [mm]
  round 2.3 hole 1.3: 1(0,0) 2(6,14) 3(-6,14) 4(-6,2) 5(6,2)
  silkscreen extent -8.38,-2.16 8.38,18.29, body extent -8.3,-2.03 8.3,18.27, height 20.2
"RES 0603" [mm] "Chip Resistor, 2-Leads, Body 1.6x0.8mm, IPC High Density _ (0.063W)"
  rect 0.7x0.85 smd: 1(0,0)
  rect 0.7x1 smd: 2(1.6,0)
  silkscreen extent 0.69,-0.25 0.89,0.25, body extent 0,-0.38 1.52,0.38, height 0.45
"RES 0603 (1608X06L)" [mm]
  rect 0.6x0.85 smd: 1(0,0) 2(1.244,0)
  silkscreen extent 0.52,-0.33 0.72,0.33, body extent -0.14,-0.38 1.38,0.38, height 0.45
"RES 0805 (2012X06L)" [mm]
  rect 0.95x1.3 smd: 1(0,0) 2(1.65,0)
  silkscreen extent 0.67,-0.55 0.97,0.55, body extent -0.19,-0.63 1.84,0.64, height 0.6
"RES 1206 (3216X08L)" [mm]
  rect 1.05x1.7 smd: 1(0,0) 2(2.596,0)
  silkscreen extent 0.8,-0.75 1.8,0.75, body extent -0.23,-0.76 2.82,0.76, height 0.6
SMD_CAP_0603 [mm]
  rect 0.6x0.85 smd: 1(-0.622,0) 2(0.622,0)
  silkscreen extent -0.1,-0.33 0.1,0.33, body extent -0.76,-0.38 0.76,0.38, height 0.6
SMD_CAP_1206 [mm]
  rect 1.05x1.7 smd: 1(0,0) 2(2.596,0)
  silkscreen extent 0.8,-0.75 1.8,0.75, body extent -0.22,-0.77 2.82,0.75, height 0.75
SO8_NARROW_N [mm]
  oval 2x0.6 smd: 1(-2.5,1.905) 2(-2.5,0.635) 3(-2.5,-0.635) 4(-2.5,-1.905) 5(2.5,-1.905) 6(2.5,-0.635) 7(2.5,0.635) 8(2.5,1.905)
  silkscreen extent -2.63,-2.5 1.1,2.88, body extent -3.12,-2.39 3.07,2.44, height 1.7
SO-16 [mm]
  oval 2.2x0.6 smd: 1(-2.4,4.445) 2(-2.4,3.175) 3(-2.4,1.905) 4(-2.4,0.635) 5(-2.4,-0.635) 6(-2.4,-1.905) 7(-2.4,-3.175) 8(-2.4,-4.445) 9(2.4,-4.445) 10(2.4,-3.175) 11(2.4,-1.905) 12(2.4,-0.635) 13(2.4,0.635) 14(2.4,1.905) 15(2.4,3.175) 16(2.4,4.445)
  silkscreen extent -2.52,-5 0.9,5.42, body extent -3.1,-5.08 3.1,5.08, height 1.73
SOT23-3 [mm]
  round 0.5 on Mech15: 0(0,0)
  rrect25% 1x0.6 smd: 1(-1.15,0.95) 2(-1.15,-0.95) 3(1.15,0)
  silkscreen extent -0.38,-1.45 0.38,1.45, body extent -1.4,-1.45 1.4,1.45, height 1.29
SOT23_BEC_M [mm] "SOT23, 3-Leads, Body 2.9x1.3mm, Pitch 0.95mm, Lead Span 2.4mm, IPC Low Density"
  rect 1.45x0.6 smd: 1(-1.175,0.95) 2(-1.175,-0.95) 3(1.175,0)
  silkscreen extent -1.3,-1.5 0.7,1.93, body extent -1.23,-1.45 1.07,1.45, height 1
SOT223 [mm] "SOT223 /SC-73"
  round 1 on Mech15: 0(0,0)
  rrect25% 1.75x1.1 smd: 1(-3.3,2.3) 2(-3.3,0) 3(-3.3,-2.3)
  rrect25% 1.75x3.5 smd: 4(3.3,0)
  silkscreen extent -1.85,-3.35 1.85,3.35, body extent -3.65,-3.35 3.65,3.35, height 1.8
"TE FSMSMTR" [mm]
  rrect50% 1.6x2.19 smd: 1(0,4.595) 2(0,-4.595)
  silkscreen extent -1.78,-3.17 1.78,3.17, body extent -1.75,-4.98 1.75,4.98, height 4.42
"Varistor Short Hieght - Vertical" [mm]
  round 2 hole 1: 1(3.81,0) 2(-3.81,0)
  silkscreen extent -5.5,-2.41 5.5,2.22, body extent -5.5,-1.78 5.5,1.74, height 12
"XTAL RTC - Right" [mm]
  round 1.3 hole 0.7: 1(0,1.55) 2(0,-1.55)
  rect 8x3 hole 0.762: 3(6.878,0.276)
  silkscreen extent -1.55,-1.19 1.55,1.17, body extent -0.54,-1.44 10.23,2.01, height 3.1